# Altium PCB fastcar.PcbDoc (part 1 of 6) (continued)
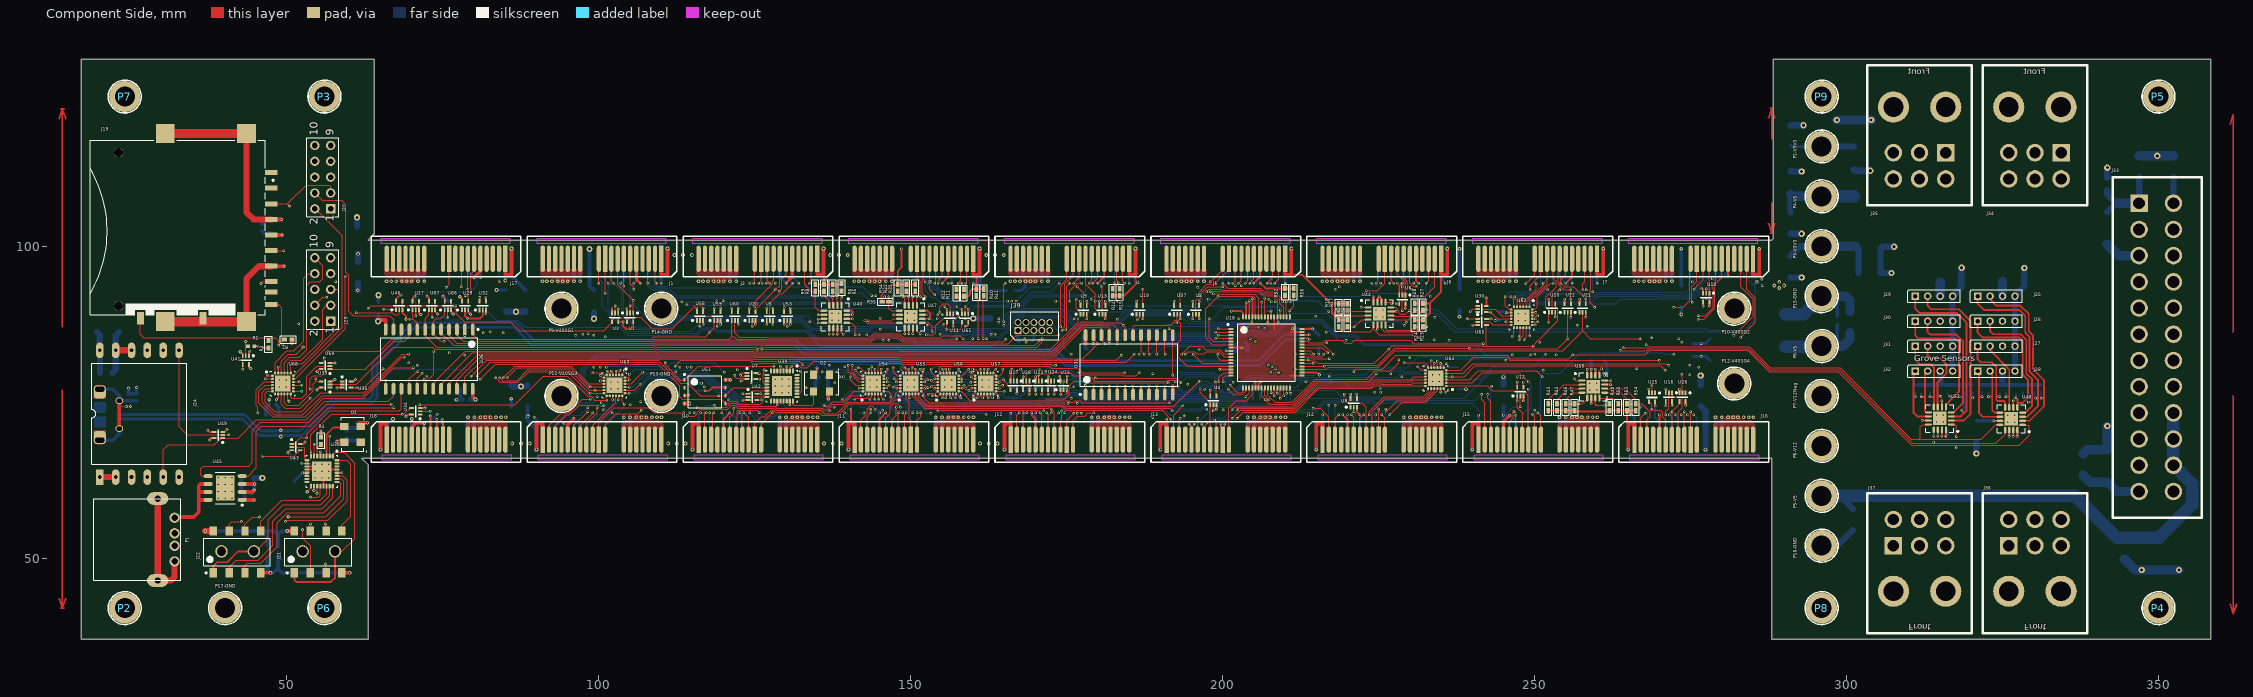
[diagram p0: Component Side view]
## Components (designator, comment, footprint, x,y, rotation, side; value= is the part's Value field where it differs from the comment) (continued)
J39 "3220-10-0100 SWD" 3220-10-0100 167.19,86.5 r90 top
O1 "3.072MHZ" SON254P340X265-4N 60.5,69.85 r180 top
O2 "12MHZ" SON254P340X265-4N 135.685,78.049 r270 top
P1 "USB-A Conn. - 87520-xx1xx" usb_a_sh 26,53 r270 top
P2 "CopperScrewM3" M3Screw 24,42 r0 top
P2-V3V3 "CopperScrewM3" M3SCREW 296,116 r0 top
P3 "CopperScrewM3" M3Screw 56,124 r0 top
P3-V3V3 "CopperScrewM3" M3SCREW 296,100 r0 top
P4 "CopperScrewM3" M3Screw 350,42 r0 top
P4-V5 "CopperScrewM3" M3SCREW 296,108 r0 top
P5 "CopperScrewM3" M3Screw 350,124 r0 top
P5-V5 "CopperScrewM3" M3SCREW 296,60 r0 top
P6 "CopperScrewM3" M3Screw 56,42 r0 top
P6-V12 "CopperScrewM3" M3SCREW 296,68 r0 top
P7 "CopperScrewM3" M3Screw 24,124 r0 top
P7-V12Neg "CopperScrewM3" M3SCREW 296,76 r0 top
P8 "CopperScrewM3" M3Screw 296,42 r0 top
P8-V5 "CopperScrewM3" M3SCREW 296,84 r0 top
P9 "CopperScrewM3" M3Screw 296,124 r0 top
P9-V40SG1 "CopperScrewM3" M3SCREW 94,90 r0 top
P10-V40SG2 "CopperScrewM3" M3SCREW 282,90 r0 top
P11-V40SG3 "CopperScrewM3" M3SCREW 94,76 r0 top
P12-V40SG4 "CopperScrewM3" M3SCREW 282,78 r0 top
P13-GND "CopperScrewM3" M3Screw 110,76 r90 top
P14-GND "CopperScrewM3" M3Screw 110,90 r90 top
P15-GND "CopperScrewM3" M3Screw 296,92 r90 top
P16-GND "CopperScrewM3" M3Screw 296,52 r0 top
P17-GND "CopperScrewM3" M3Screw 40.083,42 r0 top
R1 "R2" AP2-00011 44.25,84 r0 top
R2 "R2" AP2-00000 50.2,85.05 r0 top
R3 "R2" AP2-00000 47.05,84.3 r270 top
R4 "R2" AP2-00000 55.45,68.85 r270 top
R5 "Pullup" AP2-00000 138.9,93.4 r270 top
R6 "Pullup" AP1-00001 137.5,93.35 r270 top
R7 "Pullup" AP1-00001 331.05,77.2 r270 bottom
R8 "Pullup" AP1-00001 136.1,93.35 r270 top
R9 "Pullup" AP1-00001 134.7,93.35 r270 top
R10 "Pullup" AP1-00001 328.3,77.2 r270 bottom
R11 "Pullup" AP1-00001 158.53,92.54 r90 top
R12 "Pullup" AP1-00001 157.33,92.54 r90 top
R13 "Pullup" AP1-00001 325.7,77.2 r270 bottom
R14 "Pullup" AP1-00001 182.38,92.63 r90 top
R15 "Pullup" AP1-00001 183.48,92.63 r90 top
R16 "Pullup" AP1-00001 322.9,77.2 r270 bottom
R17 "Pullup" AP1-00001 220,90.25 r270 top
R18 "Pullup" AP1-00001 218.6,90.25 r270 top
R19 "Pullup" AP1-00001 320.05,77.2 r270 bottom
R20 "Pullup" AP1-00001 220,87.65 r270 top
R21 "Pullup" AP1-00001 218.6,87.65 r270 top
R22 "Pullup" AP1-00001 317.6,77.2 r270 bottom
R23 "Pullup" AP1-00001 232.1,87.65 r270 top
R24 "Pullup" AP1-00001 230.8,87.65 r270 top
R25 "Pullup" AP1-00001 314.65,77.2 r270 bottom
R26 "R2" AP2-00000 115.7,77.45 r90 bottom
R27 "Pullup" AP1-00001 232.1,90.3 r270 top
R28 "Pullup" AP1-00001 230.8,90.3 r270 top
R29 "Pullup" AP1-00001 312.1,77.2 r270 bottom
R30 "R2" AP2-00000 114.4,77.45 r270 bottom
R31 "Pullup" AP1-00001 150.7,93.35 r270 top
R32 "Pullup" AP1-00001 149.3,93.35 r270 top
R33 "Pullup" AP1-00001 329.95,77.2 r270 bottom
R34 "Pullup" AP1-00001 147.9,93.35 r270 top
R35 "Pullup" AP1-00001 145.95,91.1 r0 top
R36 "Pullup" AP1-00001 327,77.2 r270 bottom
R37 "Pullup" AP1-00001 141.13,73.33 r0 bottom
R38 "Pullup" AP1-00001 141.13,74.43 r0 bottom
R39 "Pullup" AP1-00001 324.4,77.2 r270 bottom
R40 "Pullup" AP1-00001 160.5,92.58 r270 top
R41 "Pullup" AP1-00001 161.7,92.6 r270 top
R42 "Pullup" AP1-00001 321.6,77.2 r270 bottom
R43 "Pullup" AP1-00001 252.2,74.2 r90 top
R44 "Pullup" AP1-00001 253.6,74.2 r90 top
R45 "Pullup" AP1-00001 318.85,77.2 r270 bottom
R46 "Pullup" AP1-00001 255,74.2 r90 top
R47 "Pullup" AP1-00001 256.4,74.2 r90 top
R48 "Pullup" AP1-00001 316.2,77.2 r270 bottom
R49 "Pullup" AP1-00001 262,74.2 r90 top
R50 "Pullup" AP1-00001 263.4,74.2 r90 top
R51 "Pullup" AP1-00001 313.5,77.2 r270 bottom
R52 "Pullup" AP1-00001 210,92.7 r270 top
R53 "Pullup" AP1-00001 264.8,74.2 r90 top
R54 "Pullup" AP1-00001 266.2,74.2 r90 top
R55 "Pullup" AP1-00001 310.9,77.2 r270 bottom
R56 "Pullup" AP1-00001 211.4,92.7 r270 top
R57 "R2" AP2-00011 24.6,75.8 r270 bottom
U1 "Buffer" SOTFL50P160X60-5N 105,88.6 r270 top
U2 "Buffer" SOTFL50P160X60-5N 195.7,89.8 r90 top
U3 "Buffer" SOTFL50P160X60-5N 102.6,88.6 r270 top
U4 "Buffer" SOTFL50P160X60-5N 198.5,75.3 r90 top
U5 "Buffer" SOTFL50P160X60-5N 127.4,88.8 r90 top
U6 "Buffer" SOTFL50P160X60-5N 228.79,91.48 r270 top
U7 "Buffer" SOTFL50P160X60-5N 124.44,79.21 r0 top
U8 "Buffer" SOTFL50P160X60-5N 221,74.9 r90 top
U9 "Buffer" SOTFL50P160X60-5N 177.7,89.8 r90 top
U10 "Buffer" SOTFL50P160X60-5N 252.8,90.1 r90 top
U11 "Buffer" SOTFL50P160X60-5N 156.3,88.5 r270 top
U12 "Buffer" SOTFL50P160X60-5N 247.71,76.71 r90 top
U13 "Buffer" SOTFL50P160X60-5N 180.7,89.8 r90 top
U14 "Buffer" SOTFL50P160X60-5N 277.5,91.78 r270 top
U15 "Buffer" SOTFL50P160X60-5N 174.5,77.7 r90 top
U16 "Buffer" SOTFL50P160X60-5N 271.52,75.82 r270 top
U17 "Buffer" SOTFL50P160X60-5N 70.65,90.5 r90 top
U18 "SAMD21TQFP64" TSQFP50P1300X1300X120-64N 207,83 r0 top locked
U19 "Buffer" SOTFL50P160X60-5N 186.7,89.8 r90 top
U20 "Buffer" SOTFL50P160X60-5N 124.6,88.8 r90 top
U21 "Buffer" SOTFL50P160X60-5N 257.7,90.1 r90 top
U22 "Buffer" SOTFL50P160X60-5N 255.3,90.1 r90 top
U23 "Buffer" SOTFL50P160X60-5N 170.5,77.7 r270 top
U24 "Buffer" SOTFL50P160X60-5N 172.5,77.7 r270 top
U25 "Buffer" SOTFL50P160X60-5N 268.82,75.8 r270 top
U26 "Buffer" SOTFL50P160X60-5N 273.7,75.81 r270 top
U27 "Buffer" SOTFL50P160X60-5N 166.5,77.7 r270 top
U28 "Buffer" SOTFL50P160X60-5N 168.5,77.7 r270 top
U29 "Buffer" SOTFL50P160X60-5N 78.55,90.5 r90 top
U30 "Buffer" SOTFL50P160X60-5N 241.56,89.95 r0 top
U31 "4to16 Decoder" SOIC127P1030X265-24N 185,81 r90 top
U32 "Buffer" SOTFL50P160X60-5N 81.39,90.48 r90 top
U33 "Buffer" SOTFL50P160X60-5N 56.2,77.85 r180 top
U34 "Buffer" SOTFL50P160X60-5N 70.65,73.55 r180 top
U35 "Buffer" SOTFL50P160X60-5N 59.55,77.85 r0 top
U36 "4to16 Decoder" SOIC127P1030X265-24N 72.8,81.9 r270 top
U37 "Inverter" SOTFL50P160X60-5N 192.7,89.8 r90 top
U38 "NXP Dual Uart" PQFN50P500X500X100_HS-33N 55.6,63.95 r270 top
U39 "MAX3421EETJ+" PQFN50P500X500X100_HS-33N 129.35,77.6 r270 top
U40 "PCA9546A" S-PVQFN-N16 137.9,88.7 r270 top
U41 "Buffer" SOTFL50P160X60-5N 43.4,81.75 r270 top
U42 "Buffer" SOTFL50P160X60-5N 124.6,75.85 r0 top
U43 "Buffer" SOTFL50P160X60-5N 51.45,67.8 r0 top
U44 "PCA9546A" S-PVQFN-N16 225.13,89.22 r0 top
U45 "TPS2021D" SOIC127P600X175_HS-9N 40.1,61.25 r180 top
U46 "Buffer" SOTFL50P160X60-5N 68,90.5 r90 top
U47 "PCA9546A" S-PVQFN-N16 150,88.7 r270 top
U48 "PCA9546A" S-PVQFN-N16 326.4,72.35 r180 top
U49 "Buffer" SOTFL50P160X60-5N 39,69.75 r180 top
U50 "PCA9546A" S-PVQFN-N16 259.4,77.5 r0 top
U51 "AT25512" SOIC127P600X25-8N 117,76.7 r0 top
U52 "PCA9546A" S-PVQFN-N16 314.95,72.4 r180 top
U53 "Buffer" SOTFL50P160X60-5N 130.2,88.8 r90 top
U54 "IO Expander" PQFN50P400X400X90_HS-25N 144,78 r90 top
U55 "IO Expander" PQFN50P400X400X90_HS-25N 150,78 r90 top
U56 "IO Expander" PQFN50P400X400X90_HS-25N 156,78 r90 top
U57 "IO Expander" PQFN50P400X400X90_HS-25N 162,78 r90 top
U58 "Buffer" SOTFL50P160X60-5N 116.2,88.8 r90 top
U59 "Buffer" SOTFL50P160X60-5N 119,88.8 r90 top
U60 "Buffer" SOTFL50P160X60-5N 121.8,88.8 r90 top
U61 "Buffer" SOTFL50P160X60-5N 158.7,88.5 r270 top
U62 "IO Expander" PQFN50P400X400X90_HS-25N 247.93,88.63 r270 top
U63 "IO Expander" PQFN50P400X400X90_HS-25N 102.5,77.7 r270 top
U64 "IO Expander" PQFN50P400X400X90_HS-25N 234.17,78.87 r180 top
U65 "Buffer" SOTFL50P160X60-5N 241.57,87.86 r0 top
U66 "Buffer" SOTFL50P160X60-5N 75.8,90.5 r90 top
U67 "Buffer" SOTFL50P160X60-5N 73.25,90.5 r90 top
U68 "IO Expander" PQFN50P400X400X90_HS-25N 49.35,78 r0 top
U69 "Buffer" SOTFL50P160X60-5N 56.2,80.8 r180 top

## Footprints (in the part's own frame and the unit in brackets; to place one, negate y for a bottom-side part, rotate by r counter-clockwise, add the part's x,y. Pads: shape width x height; smd on the part's side, far side on the other; paste and mask are expansions set on the pad)
0603C-2U2 [mil] "CAPACITOR 0603"
  rect 30x30 smd: 1(0,0) 2(55,0)
  silkscreen extent -23,-23 78,23, body extent -4,-15 59,15, height 19
1206C-GENERIC [mil]
  rect 60x60 smd: 1(0,0) 2(135,0)
  silkscreen extent -50,-50 185,50, body extent -8,-29 147,29, height 46
1206R-GENERIC [mil]
  rect 60x60 smd: 1(0,0) 2(135,0)
  silkscreen extent -50,-50 185,50
1913-X-GENERIC [mil]
  rect 90x120 smd: 1(0,0) 2(167,-1)
  silkscreen extent -60,-88 227,86
2413 [mm]
  rect 2.4x2.5 smd: 1(-2,0) 2(3.2,0)
  silkscreen extent -4.1,-2.5 5.5,2.5
3220-10-0100 [mm]
  rect 1.1x1.1 hole 0.75: 1(0,0)
  round 1.1 hole 0.75: 2(1.27,0) 3(0,-1.27) 4(1.27,-1.27) 5(0,-2.54) 6(1.27,-2.54) 7(0,-3.81) 8(1.27,-3.81) 9(0,-5.08) 10(1.27,-5.08)
  silkscreen extent -1.5,-6.5 3,1.2
45558 [mm] "6 CKT R/A Header Mini Fit Jr PCI-E Power"
  rect 2.8x2.8 hole 1.8: 1(0,0)
  round 2.8 hole 1.8: 2(-4.2,0) 3(-8.4,0) 4(0,-4.2) 5(-4.2,-4.2) 6(-8.4,-4.2)
  round 5 hole 3.2: 7(0,7.3) 8(-8.4,7.3)
  silkscreen extent -12.6,-8.4 4.2,14
46991-1024 [mm] "MINIFIT RTC Right Angle Header W/O PEG"
  rect 2.8x2.8 hole 1.9: 1(0,0)
  round 2.8 hole 1.9: 2(-4.2,0) 3(-8.4,0) 4(-12.6,0) 5(-16.8,0) 6(-21,0) 7(-25.2,0) 8(-29.4,0) 9(-33.6,0) 10(-37.8,0) 11(-42,0) 12(-46.2,0) 13(0,-5.5) 14(-4.2,-5.5) 15(-8.4,-5.5) 16(-12.6,-5.5) 17(-16.8,-5.5) 18(-21,-5.5) 19(-25.2,-5.5) 20(-29.4,-5.5) 21(-33.6,-5.5) 22(-37.8,-5.5) 23(-42,-5.5) 24(-46.2,-5.5)
  silkscreen extent -50.4,-10 4.2,4.2
AP1-00001 [mm] "Standard 0402 SMD capacitor footprint"
  rect 0.9x0.6 smd: 1(-0.55,0) 2(0.55,0)
  silkscreen extent -1.25,-0.55 1.25,0.55, body extent -0.5,-0.3 0.5,0.3, height 0.2
AP1-00041 [mil]
  rect 43x63 smd: 1(0,0) 2(80,0)
  silkscreen extent -30,-39 109,39, body extent 1,-25 79,25, height 31
AP2-00000 [mm] "Standard 0402 SMD resistor footprint"
  rect 0.8x0.65 smd: 1(-0.6,0) 2(0.6,0)
  silkscreen extent -1.25,-0.57 1.25,0.58, body extent -0.5,-0.3 0.5,0.3, height 0.2
AP2-00011 [mm] "Chip Resistor, 2-Leads, Body 1,0x0,5mm, IPC High Density"
  rect 0.6x0.55 smd: 1(-0.5,0) 2(0.5,0)
  body extent -0.5,-0.3 0.5,0.3, height 0.2
AP8-00377 [mm]
  round 1.5 hole 1.5 unplated: 0(-12.575,14) 0(12.025,14)
  rect 0.8x2 smd paste+0 mask+0.2: 1(6.305,-10.5) 2(3.805,-10.5) 3(1.305,-10.5) 4(-1.195,-10.5) 5(-3.695,-10.5) 6(-6.195,-10.5) 7(-8.625,-10.5) 8(-10.325,-10.5) 9(8.805,-10.5) 10(-12.325,-10.5)
  rect 2x1.1 smd paste+0 mask+0.2: 11(-14.575,0.45) 12(-14.575,10.5)
  rect 3x3 smd paste+0 mask+0.2: 13(-15.075,-6.5) 14(-15.075,6.5) 15(15.075,6.5) 16(15.075,-6.5)
  silkscreen extent -14.1,-10.9 14,18.5, body extent -13.99,-9.5 14,18.5, height 2.7
AP8-00852 [mm] "Hirose, ZX Series, USB Micro-AB Recept-RA"
  rect 0.4x1.35 smd: 1(-1.3,2.8) 2(-0.65,2.8) 3(0,2.8) 4(0.65,2.8) 5(1.3,2.8)
  rrect52% 2.1x1.9 hole 0.825 slot 1.5 at 90 deg copper offset 0.437,0: 6(-4.088,0)
  rrect50% 2.1x1.9 on Bottom Paste: 6(-3.6,0) 7(3.6,0)
  rrect52% 2.1x1.9 hole 0.825 slot 1.5 at 90 deg copper offset -0.437,0: 7(4.087,0)
  rrect100% 1.05x1.25 hole 0.65 slot 0.85 at 90 deg: 8(-2.225,3.125) 9(2.225,3.125)
  rrect50% 1.05x1.25 on Bottom Paste: 8(-2.225,3.125) 9(2.225,3.125)
  Component Side region: -2.05,0.95 -0.25,0.95 -0.25,-0.95 -2.05,-0.95
  Component Side region: 0.25,0.95 2.05,0.95 2.05,-0.95 0.25,-0.95
  Component Side pour cut-out: -3.75,1.975 3.75,1.975 3.75,-1.325 -3.75,-1.325
  Component Side region: -2.6,0.95 -4.2,0.95 -4.294,0.941 -4.381,0.915 -4.434,0.891 -4.48,0.862 -4.52,0.832 -4.565,0.791 -4.596,0.753 -4.622,0.716 -4.647,0.673 -4.66,0.64 -4.676,0.6 -4.688,0.55 -4.696,0.505 -4.7,0.45 -4.7,-0.45 -4.696,-0.503 -4.689,-0.548 -4.677,-0.599 -4.661,-0.641 -4.641,-0.683 -4.617,-0.724 -4.589,-0.761 -4.56,-0.797 -4.521,-0.831 -4.483,-0.86 -4.439,-0.888 -4.397,-0.908 -4.354,-0.924 -4.301,-0.939 -4.248,-0.946 -4.2,-0.95 -2.6,-0.95
  Component Side region: 2.6,-0.95 4.2,-0.95 4.294,-0.941 4.381,-0.915 4.434,-0.891 4.48,-0.862 4.52,-0.832 4.565,-0.791 4.596,-0.753 4.622,-0.716 4.647,-0.673 4.66,-0.64 4.676,-0.6 4.688,-0.55 4.696,-0.505 4.7,-0.45 4.7,0.45 4.696,0.503 4.689,0.548 4.677,0.599 4.661,0.641 4.641,0.683 4.617,0.724 4.589,0.761 4.56,0.797 4.521,0.831 4.483,0.86 4.439,0.888 4.397,0.908 4.354,0.924 4.301,0.939 4.248,0.946 4.2,0.95 2.6,0.95
  Solder Side region: 2.6,-0.95 4.2,-0.95 4.294,-0.941 4.381,-0.915 4.434,-0.891 4.48,-0.862 4.52,-0.832 4.565,-0.791 4.596,-0.753 4.622,-0.716 4.647,-0.673 4.66,-0.64 4.676,-0.6 4.688,-0.55 4.696,-0.505 4.7,-0.45 4.7,0.45 4.696,0.503 4.689,0.548 4.677,0.599 4.661,0.641 4.641,0.683 4.617,0.724 4.589,0.761 4.56,0.797 4.521,0.831 4.483,0.86 4.439,0.888 4.397,0.908 4.354,0.924 4.301,0.939 4.248,0.946 4.2,0.95 2.6,0.95
  Solder Side region: -2.6,0.95 -4.2,0.95 -4.294,0.941 -4.381,0.915 -4.434,0.891 -4.48,0.862 -4.52,0.832 -4.565,0.791 -4.596,0.753 -4.622,0.716 -4.647,0.673 -4.66,0.64 -4.676,0.6 -4.688,0.55 -4.696,0.505 -4.7,0.45 -4.7,-0.45 -4.696,-0.503 -4.689,-0.548 -4.677,-0.599 -4.661,-0.641 -4.641,-0.683 -4.617,-0.724 -4.589,-0.761 -4.56,-0.797 -4.521,-0.831 -4.483,-0.86 -4.439,-0.888 -4.397,-0.908 -4.354,-0.924 -4.301,-0.939 -4.248,-0.946 -4.2,-0.95 -2.6,-0.95
  silkscreen extent -4.05,1.23 4.05,3.13, body extent -4.32,-2.65 4.33,3.25, height 2.78
B4B-PH-K-S(LF)(SN) [mm] "CONN HEADER PH TOP 4POS 2MM"
  rect 1.2x1.2 hole 0.7: 1(-3,0)
  round 1.2 hole 0.7: 2(-1,0) 3(1,0) 4(3,0)
  silkscreen extent -4.2,-1 4.2,1
HDR2X5 [mm] "Connector; Header; 5x2 Position"
  rect 1.5x1.5 hole 0.9: 1(0,0)
  round 1.5 hole 0.9: 2(0,2.54) 3(2.54,0) 4(2.54,2.54) 5(5.08,0) 6(5.08,2.54) 7(7.62,0) 8(7.62,2.54) 9(10.16,0) 10(10.16,2.54)
  silkscreen extent -1.27,-1.27 11.43,3.81
M3Screw [mm] "M3ScrewHole"
  round 5 hole 3.2: 1(0,0)
  silkscreen extent -2.64,-2.64 2.64,2.64
M3SCREW [mm] "M3ScrewHole"
  round 5 hole 3.2: 1(0,0)
  silkscreen extent -2.64,-2.64 2.64,2.64
PCIE-036-02-F-D-EMS3 [mm] "Samtec 36 Pin Saddle PCI-Express Connector PCIE-036-02-F-D-EMS3"
  rect 0.7x4.2 smd: A1(0,0) A10(9,0)
  oval 0.7x4.2 smd: A2(1,0) A3(2,0) A4(3,0) A5(4,0) A6(5,0) A7(6,0) A8(7,0) A9(8,0) A11(10,0) A12(13,0) A13(14,0) A14(15,0) A15(16,0) A16(17,0) A17(18,0) A18(19.016,0)
  rect 0.7x4.2 smd far side: B1(0,0) B10(9,0)
  oval 0.7x4.2 smd far side: B2(1,0) B3(2,0) B4(3,0) B5(4,0) B6(5,0) B7(6,0) B8(7,0) B9(8,0) B11(10,0) B12(13,0) B13(14,0) B14(15,0) B15(16,0) B16(17,0) B17(18,0) B18(19.016,0)
  Keep-Out Layer region: -0.8,-3.2 20,-3.2 20,-2.5 -0.8,-2.5
  silkscreen extent -2.5,-3.6 21.5,2.9
PQFN50P400X400X90_HS-25N [mm] "PQFN, 24-Leads, Body 4.00x4.00mm, Pitch 0.50mm, Thermal Pad 2.50x2.50mm, IPC Medium Density"
  oval 0.45x0.35 smd: 1(-1.675,1.25) 2(-1.675,0.75) 3(-1.675,0.25) 4(-1.675,-0.25) 5(-1.675,-0.75) 6(-1.675,-1.25) 13(1.675,-1.25) 14(1.675,-0.75) 15(1.675,-0.25) 16(1.675,0.25) 17(1.675,0.75) 18(1.675,1.25)
  oval 0.35x0.45 smd: 7(-1.25,-1.675) 8(-0.75,-1.675) 9(-0.25,-1.675) 10(0.25,-1.675) 11(0.75,-1.675) 12(1.25,-1.675) 19(1.25,1.675) 20(0.75,1.675) 21(0.25,1.675) 22(-0.25,1.675) 23(-0.75,1.675) 24(-1.25,1.675)
  rect 2.5x2.5 smd: 25(0,0)
  silkscreen extent -2.77,-2 2,2, body extent -2,-2 2,2, height 0.9
PQFN50P500X500X100_HS-33N [mm] "PQFN, 32-Leads, Body 5.00x5.00mm, Pitch 0.50mm, Thermal Pad 3.10x3.10mm, IPC Medium Density"
  oval 0.8x0.35 smd: 1(-2.415,1.75) 2(-2.415,1.25) 3(-2.415,0.75) 4(-2.415,0.25) 5(-2.415,-0.25) 6(-2.415,-0.75) 7(-2.415,-1.25) 8(-2.415,-1.75) 17(2.415,-1.75) 18(2.415,-1.25) 19(2.415,-0.75) 20(2.415,-0.25) 21(2.415,0.25) 22(2.415,0.75) 23(2.415,1.25) 24(2.415,1.75)
  oval 0.35x0.8 smd: 9(-1.75,-2.415) 10(-1.25,-2.415) 11(-0.75,-2.415) 12(-0.25,-2.415) 13(0.25,-2.415) 14(0.75,-2.415) 15(1.25,-2.415) 16(1.75,-2.415) 25(1.75,2.415) 26(1.25,2.415) 27(0.75,2.415) 28(0.25,2.415) 29(-0.25,2.415) 30(-0.75,2.415) 31(-1.25,2.415) 32(-1.75,2.415)
  rect 3.15x3.15 smd: 33(0,0)
  silkscreen extent -3.32,-2.55 2.55,2.55, body extent -2.55,-2.55 2.55,2.55, height 1
S-PVQFN-N16 [mm] "Footprint for NXP"
  oval 1.1x0.35 smd: 1(-1.825,0.975) 2(-1.825,0.325) 3(-1.825,-0.325) 4(-1.825,-0.975) 9(1.825,-0.975) 10(1.825,-0.325) 11(1.825,0.325) 12(1.825,0.975)
  oval 0.35x1.1 smd: 5(-0.975,-1.825) 6(-0.325,-1.825) 7(0.325,-1.825) 8(0.975,-1.825) 13(0.975,1.825) 14(0.325,1.825) 15(-0.325,1.825) 16(-0.975,1.825)
  rect 2.16x2.16 smd: 17(0,0)
  silkscreen extent -3,-2.23 2.23,2.23, body extent -2.07,-2.07 2.07,2.07, height 1
SOIC127P600X25-8N [mm] "SOIC, 8-Leads, Body 4.92x5.95mm, Pitch 1.27mm, IPC Medium Density"
  oval 0.35x0.6 smd: 1(-3.275,1.905) 2(-3.275,0.635) 3(-3.275,-0.635) 4(-3.275,-1.905) 5(3.275,-1.905) 6(3.275,-0.635) 7(3.275,0.635) 8(3.275,1.905)
  silkscreen extent -3.4,-2.55 2.7,2.88, body extent -3.1,-2.55 3.1,2.55, height 0.25
SOIC127P600X175_HS-9N [mm] "SOIC, 8-Leads, Body 4.90x3.90mm, Pitch 1.27mm, Thermal Pad 4.00x3.00mm, IPC Medium Density"
  oval 1.45x0.6 smd: 1(-2.725,1.905) 2(-2.725,0.635) 3(-2.725,-0.635) 4(-2.725,-1.905) 5(2.725,-1.905) 6(2.725,-0.635) 7(2.725,0.635) 8(2.725,1.905)
  rect 3x4 smd: 9(0,0)
  silkscreen extent -2.85,-2.5 1.6,2.88, body extent -2,-2.5 2,2.5, height 1.75
SOIC127P1030X265-24N [mm] "SOIC, 24-Leads, Body 15.40x7.50mm, Pitch 1.27mm, IPC Medium Density"
  oval 1.9x0.6 smd: 1(-4.75,6.985) 2(-4.75,5.715) 3(-4.75,4.445) 4(-4.75,3.175) 5(-4.75,1.905) 6(-4.75,0.635) 7(-4.75,-0.635) 8(-4.75,-1.905) 9(-4.75,-3.175) 10(-4.75,-4.445) 11(-4.75,-5.715) 12(-4.75,-6.985) 13(4.75,-6.985) 14(4.75,-5.715) 15(4.75,-4.445) 16(4.75,-3.175) 17(4.75,-1.905) 18(4.75,-0.635) 19(4.75,0.635) 20(4.75,1.905) 21(4.75,3.175) 22(4.75,4.445) 23(4.75,5.715) 24(4.75,6.985)
  silkscreen extent -4.87,-7.8 3.4,7.96, body extent -3.8,-7.8 3.8,7.8, height 2.65
SON254P340X265-4N [mm] "SON, 4-Leads, Body 5.15x3.35mm, Pitch 2.54mm, IPC Medium Density"
  rect 1.35x1.15 smd: 1(-1.335,1.27) 2(-1.335,-1.27) 3(1.335,-1.27) 4(1.335,1.27)
  silkscreen extent -2.28,-2.72 1.82,2.77, body extent -1.68,-2.57 1.67,2.58, height 2.65
SOP254P740X760-8N [mm] "SOP, 8-Leads, Body 10.66x5.03mm, Pitch 2.54mm, IPC Medium Density"
  round 2 hole 1.5: 0(0.1,2.5) 1(0.1,-2.7)
  rect 1.5x1.2 smd: 1(-3.35,3.81) 2(3.35,3.81) 3(-3.35,1.27) 4(3.35,1.27) 5(-3.35,-1.27) 6(3.35,-1.27) 7(-3.35,-3.81) 8(3.35,-3.81)
  silkscreen extent -3.47,-5.35 2.2,5.35, body extent -2.6,-5.35 2.6,5.35, height 7.6
SOTFL50P160X60-5N [mm] "SOTFL, 5-Leads, Body 1.60x1.60mm, Pitch 0.50mm, IPC Medium Density"
  rect 0.75x0.3 smd: 1(-0.7,0.5) 2(-0.7,0) 3(-0.7,-0.5) 4(0.7,-0.5) 5(0.7,0.5)
  silkscreen extent -0.82,-0.85 0.05,1.33, body extent -0.65,-0.85 0.65,0.85, height 0.6
TSQFP50P1300X1300X120-64N [mm] "TSQFP, 64-Leads, Body 10.00x10.00mm, Pitch 0.50mm, IPC Medium Density"
  rrect50% 0.8x0.32 smd: 1(-5.7,3.75) 2(-5.7,3.25) 3(-5.7,2.75) 4(-5.7,2.25) 5(-5.7,1.75) 6(-5.7,1.25) 7(-5.7,0.75) 8(-5.7,0.25) 9(-5.7,-0.25) 10(-5.7,-0.75) 11(-5.7,-1.25) 12(-5.7,-1.75) 13(-5.7,-2.25) 14(-5.7,-2.75) 15(-5.7,-3.25) 16(-5.7,-3.75) 33(5.7,-3.75) 34(5.7,-3.25) 35(5.7,-2.75) 36(5.7,-2.25) 37(5.7,-1.75) 38(5.7,-1.25) 39(5.7,-0.75) 40(5.7,-0.25) 41(5.7,0.25) 42(5.7,0.75) 43(5.7,1.25) 44(5.7,1.75) 45(5.7,2.25) 46(5.7,2.75) 47(5.7,3.25) 48(5.7,3.75)
  rrect50% 0.32x0.8 smd: 17(-3.75,-5.7) 18(-3.25,-5.7) 19(-2.75,-5.7) 20(-2.25,-5.7) 21(-1.75,-5.7) 22(-1.25,-5.7) 23(-0.75,-5.7) 24(-0.25,-5.7) 25(0.25,-5.7) 26(0.75,-5.7) 27(1.25,-5.7) 28(1.75,-5.7) 29(2.25,-5.7) 30(2.75,-5.7) 31(3.25,-5.7) 32(3.75,-5.7) 49(3.75,5.7) 50(3.25,5.7) 51(2.75,5.7) 52(2.25,5.7) 53(1.75,5.7) 54(1.25,5.7) 55(0.75,5.7) 56(0.25,5.7) 57(-0.25,5.7) 58(-0.75,5.7) 59(-1.25,5.7) 60(-1.75,5.7) 61(-2.25,5.7) 62(-2.75,5.7) 63(-3.25,5.7) 64(-3.75,5.7)
  silkscreen extent -6.3,-4.6 4.6,4.6, body extent -5,-5 5,5, height 1.2
usb_a_sh [mil] "USB_A_SH"
  round 65 hole 40 mask+2: 1(-137.1,235.7) 2(-38.7,235.7) 3(40.1,235.7) 4(138.5,235.7)
  oval 80x135 hole 40 mask+2: 5(-258,129) 6(259.4,129)
  silkscreen extent -258,-276 258,276
WIZ820io [mm]
  rect 2.5x1.2 hole 0.6: 1(0,0)
  oval 2.5x1.2 hole 0.6: 2(0,-2.54) 3(0,-5.08) 4(0,-7.62) 5(0,-10.16) 6(0,-12.7) 7(20.32,-12.7) 8(20.32,-10.16) 9(20.32,-7.62) 10(20.32,-5.08) 11(20.32,-2.54) 12(20.32,0)
  silkscreen extent 2.09,-13.97 18.23,1.27

## Part data
C1 C2 C3 C7 C9 C11 C13 C15 C17 C19 C21 C23 C24 C27 C29 C31 C33 C35 C78: library part A01-0360, "Ceramic capacitor, SMD 0805, X5R, 10V, 10 %, (de19441)"
C4 C5 C6 C8 C10 C12 C14 C16 C18 C20 C22 C25 C26 C28 C30 C32 C34 C36 C77 C79: library part A01-0246, "Ceramic capacitor, SMD 0402, X7R, 16V, +/-10%"
C37 C47 C57 C67: "CER 0.1UF 250V 10% X7R 1206"
C38 C48 C58 C68: "CAP CER 1UF 50V 10% X5R 0603"
C39 C49 C59 C69: "CAP TANT 1UF 50V 10% 2413"
C40 C50 C60 C70: "CAP FILM 10000PF 5% 400VDC 1913"
C41 C51 C61 C71: "CAP FILM 1000PF 5% 100VDC 1206"
C42 C43 C44 C45 C46 C52 C53 C54 C55 C56 C62 C63 C64 C65 C66 C72 C73 C74 C75 C76: "CAP CER 10UF 50V 20% X5R 1206"
J1 J2 J3 J4 J5 J6 J7 J8 J9 J10 J11 J12 J13 J14 J15 J16 J17 J18: library part PCIE-036-02-F-D-EMS3, "Samtec PCIE-036-02-F-D-EMS3"
J19: library part A08-0816, "SD/MMC socket, 2.7mm, push-push, SMD"
J20 J23: "Header, 5-Pin, Dual row"
J21 J22: library part NPPC042KFMS-RC, "Connector Header 8 Position 0.100\" (2.54mm) Gold Surface Mount"
J33: library part 46991-2024, "Mini-Fit JR LCP RA HDR NOPEG 24C"
J38: library part A08-2112, "Hirose ZX62D-AB-5P8 Micro USB AB Connector, Standard SMT + DIP"
J39: library part 3220-10-0100-00, "HiRose 3220-10-0100 BOX HEADER, 0.050 10 POS"
O1: library part FXO-HC536R-3.072, "OSCILLATOR XO 3.072MHZ HCMOS SMD"
O2: library part FXO-HC536R-12, "OSCILLATOR XO 12MHZ HCMOS SMD"
P1: library part CONN_54819-0578_2, "CONN RCPT USB TYPE A R/A PCB"
R1: library part A02-0260, "Thick film resistor, SMD 0402, 1/16W, 1%"
R2 R3 R4 R5 R6 R7 R8 R9 R10 R11 R12 R13 R14 R15 R16 R17 R18 R19 R20 R21 R22 R23 R24 R25 R26 R27 R28 R29 R30 R31 R32 R33 R34 R35 R36 R37 R38 R39 R40 R41 R42 R43 R44 R45 R46 R47 R48 R49 R50 R51 R52 R53 R54 R55 R56: library part A02-0236, "Thick film resistor, SMD 0402, 1/16W, 1%"
R57: library part A02-0284, "Thick film resistor, SMD 0402, 1/16W, 1%"
U1 U2 U3 U4 U5 U6 U7 U8 U9 U10 U11 U12 U13 U14 U15 U16 U17 U41 U42 U43 U46 U49 U53 U58 U59 U60 U61 U65 U66 U67 U69: library part SN74LVC1G125DRLR, "SN74LVC1G125DRLR Tinylogic Tristate Buffer SOT-5 DRL Package"
U18: library part ATSAMD21J18A-AUT
U19 U20 U21 U22 U23 U24 U25 U26 U27 U28 U29 U30 U32 U33 U34 U35: library part SN74LVC1G34DRLR, "SN74LVC1G34DRLR Tinylogic Buffer SOT-5 DRL Package"
U31 U36: library part CD74HC154M, "TI 4to16 Line Decoder/Demux"
U37: library part SN74AHC1G04DRLR, "SN74AHC1G04DRLR Tinylogic Inverter SOT-5 DRL Package"
U38: library part SC16IS762IBS, "Dual Uart with SPI Interface, 15Mbits SPI"
U45: "IC 0.9A PWR DIST SWITCH 8-SOIC TI"
U51: library part AT25512N-SH-B, "IC EEPROM 512KBIT 20MHZ 8SOIC ATMEL"
U54 U55 U56 U57 U62 U63 U64 U68: library part MCP23S18T-E/MJ, "Microchip 16-Bit IO Expander with Open Drain Outputs"

## Via types
v1: diameter 0.4, hole 0.2, Component Side to Solder Side, 984 vias
v2: diameter 0.6, hole 0.3, Component Side to Solder Side, 212 vias
v3: diameter 0.5, hole 0.2, Component Side to Solder Side, 152 vias
v4: diameter 1, hole 0.5, Component Side to Solder Side, 27 vias

## Nets (pads, with @x,y where several pads share a name; then routed paths per layer and width w, separated by ;. In a path a pad name is that pad's centre, name@x,y a point inside that pad or via, vN(x,y) a via of type N, cw(c..) or ccw(c..) an arc to the next point about the centre after c; other vN are vias at no path point)
CLK12: O2.3 U39.24 | length 5.9
  Component Side w0.15: U39.24@131.1,75.185 131.1,74.7 131.25,74.55 134.18,74.55 134.415,74.785 O2.3@134.415,76.714
CLK3072: O1.3 U38.3 | length 7.1
  Component Side w0.3: U38.3@56.35,66.125 56.35,69.85 57.45,70.95 58.995,70.95 O1.3@59.165,71.12
CSEEPROM: U36.17 U51.1 U53.1 | length 70.2
  Component Side w0.15: U36.17@70.895,77.15 70.895,78.845 v1(71.7,79.65) ; v1(110.6,81.3) 110.6,80.999 113.049,78.55 U51.1@113.75,78.55 ; U51.1@113.725,78.605 115.92,80.8 v1(128,80.8) ; v1(129.7,87.5) U53.1@129.7,88.1
  Signal 1 w0.15: v1(128,80.8) 129.7,82.5 v1(129.7,87.5)
  Signal 2 w0.15: v1(71.7,79.65) 71.775,79.725 79.976,79.725 80.001,79.7 97.7,79.7 97.955,79.955 ; 97.955,79.956 98.204,80.205 ; 98.205,80.205 98.675,80.675 98.675,80.776 99.249,81.35 110.55,81.35 v1(110.6,81.3)
CSES: J17.A8 U17.1 U36.8 | length 21.1
  Component Side w0.15: v1(69.7,88.3) 70.05,88.3 70.15,88.4 ; U17.1@70.15,89.8 70.15,88.4 ; U36.8@70.895,86.65 70.895,87.655 70.15,88.4 ; v1(77.95,93.5) 78,93.55 J17.A8@78,98
  Component Side w0.3: U36.8@70.895,85.755 U36.8@70.895,86.65
  Signal 1 w0.15: v1(69.7,88.3) 69.7,90.528 72.072,92.9 77.35,92.9 v1(77.95,93.5)
CSETH: J24.5 U36.14 U49.1 | length 46.1
  Component Side w0.15: J24.5@30.16,63 30.16,67.36 31,68.2 38.35,68.2 39.2,69.05 39.2,69.1 ; U49.1@39.7,69.25 42.15,69.25 45.1,72.2 53.1,72.2 56.05,75.15 66.25,75.15 67.085,75.985 U36.14@67.085,77.15
  Component Side w0.3: 39.2,69.1 39.35,69.25 U49.1@39.7,69.25
CSGEN: U36.9 U68.9 U69.1 | length 30.2
  Component Side w0.15: U68.9@49.1,76.325 49.1,74.65 49.75,74 52.1,74 53.7,75.6 v1(53.75,75.6) ; v1@53.7,77 v1(53.75,77.05) 53.75,78.8 54.15,79.2 ; 54.2,79.25 55.55,79.25 56.6,80.3 U69.1@56.9,80.3 62.576,80.3 67.076,84.8 68.85,84.8 69.625,85.575 U36.9@69.625,86.65
  Signal 1 w0.15: v1(53.75,75.6) v1(53.75,77.05)
CSINT: U36.1 U54.9 U58.1 U59.1 | length 83.7
  Component Side w0.15: U36.1@79.785,86.65 79.785,85.865 80.586,85.064 108.364,85.064 108.8,85.5 117.1,85.5 v1(117.8,86.2) 118.5,86.9 U59.1@118.5,88.1 118.5,88.6 118.3,88.8 115.9,88.8 115.7,88.6 U58.1@115.7,88.1 ; U54.9@145.675,77.75 v1(146.528,77.75)
  Signal 1 w0.15: 145.1,86.4 145.1,81.3 145.7,80.7 145.7,78.1 146.05,77.75 v1(146.528,77.75)
  Signal 2 w0.15: v1(117.8,86.2) 117.825,86.175 130.6,86.175 130.85,86.425 130.949,86.425 131.125,86.601 131.125,86.7 v1(145.1,86.7)
CSIO0: U36.4 U57.9 U61.1 | length 115.1
  Component Side w0.15: U36.4@75.975,86.65 75.975,85.725 77.236,84.464 108.646,84.464 109.007,84.825 126.649,84.825 126.774,84.7 143.674,84.7 144.349,85.375 147.925,85.375 148.6,84.7 164.8,84.7 v1(165.2,85.1) ; U61.1@159.2,89.2 v1(159.2,89.9) ; U57.9@163.675,77.75 163.725,77.7 v1(164.7,77.7)
  Signal 1 w0.15: v1(164.7,77.7) 164.7,77.75 165.325,78.375 165.325,78.776 165.2,78.901 v1(165.2,85.1) 165.815,85.715 165.815,88.794 166.2,89.179 ; 166.2,89.179 v1(166.2,91.2)
  Solder Side w0.15: v1(159.2,89.9) 159.875,90.575 165.575,90.575 v1(166.2,91.2)
CSIO1: U36.5 U62.9 U65.1 | length 179.1
  Component Side w0.15: U36.5@74.705,86.65 74.705,86.094 76.699,84.1 108.706,84.1 109.131,84.525 126.525,84.525 126.65,84.4 165.6,84.4 166.9,85.7 v1(173.7,85.7) ; v1(239.16,88.36) U65.1@240.87,88.36 241.31,88.36 241.55,88.6 241.55,89.73 241.75,89.93 243.67,89.93 244.76,88.84 246.215,88.84 U62.9@246.255,88.88
  Signal 2 w0.15: v1(173.7,85.7) 176.4,85.7 177,86.3 198.199,86.3 198.424,86.525 198.474,86.525 199.124,87.175 203.3,87.175 204.625,88.5 214.3,88.5 215.3,87.5 217.9,87.5 219.115,86.285 224.976,86.285 225.266,86.575 229.825,86.575 232.025,88.775 233.574,88.775 234.024,89.225 238.295,89.225 v1(239.16,88.36)
CSIO2: U36.6 U63.9 U66.1 | length 41.7
  Component Side w0.15: v1(75.2,84.75) 74.65,84.75 73.435,85.965 U36.6@73.435,86.65 73.435,87.935 73.85,88.35 74.6,88.35 75.3,89.05 U66.1@75.3,89.8 ; v1(84.7,78.9) 86.599,80.8 95.533,80.8 98.383,77.95 U63.9@100.825,77.95
  Signal 1 w0.15: v1(82.6,86.3) 84.7,84.2 v1(84.7,78.9)
  Signal 2 w0.15: v1(75.2,84.75) 81.05,84.75 v1(82.6,86.3)
CSIO3: U36.7 U64.9 U67.1 | length 174.1
  Component Side w0.15: U67.1@72.75,89.8 72.75,88.985 72.165,88.4 U36.7@72.165,86.65 72.165,85.635 73.975,83.825 76.549,83.825 76.574,83.8 108.83,83.8 109.255,84.225 126.4,84.225 126.525,84.1 169.9,84.1 170.6,84.8 v1(170.6,84.9) ; U64.9@234.42,80.545 v1(234.42,81.58)
  Signal 1 w0.15: v1(233.9,85) 234.42,84.48 v1(234.42,81.58)
  Signal 2 w0.15: v1(170.6,84.9) 170.6,84.8 170.624,84.775 171.276,84.775 171.301,84.8 176.809,84.8 177.549,85.54 183.55,85.54 184.315,84.775 195.928,84.775 197.001,84.775 197.251,84.525 199.2,84.525 199.45,84.775 199.699,84.775 202.625,84.775 203.475,84.775 204.225,84.025 224.049,84.025 224.599,84.575 227.876,84.575 228.176,84.275 233.175,84.275 v1(233.9,85)
CSLCD: J20.4 U36.11 | length 32.3
  Component Side w0.15: J20.4@54.46,108.54 55.65,107.35 58.75,107.35 59.45,106.65 59.45,95.8 59.9,95.35 59.9,89.6 60.65,88.85 66.45,88.85 67.085,88.215 U36.11@67.085,86.65
CSLSD: J23.4 U36.13 U46.1 | length 27.4
  Component Side w0.15: J23.4@54.46,90.54 55.72,91.8 v1(56.35,91.8) ; v1(65.55,89.934) 67.366,89.934 U46.1@67.5,89.8 ; U36.13@65.815,77.15 65.815,78.515 v1(65.85,78.55)
  Signal 1 w0.15: v1(56.35,91.8) 63.684,91.8 v1(65.55,89.934) 65.55,80.851 65.85,80.551 v1(65.85,78.55)
  Solder Side w0.3: J23.4@54.46,90.49 J23.4@54.46,90.54
CSRESET: U36.2 U55.9 | length 85.1
  Component Side w0.15: U55.9@151.675,77.75 152.35,77.75 v1(152.75,77.35)
  Signal 1 w0.15: v1(78.515,82.525) v1(78.515,85.685) ; v1(136.9,80.9) 136.9,77.6 v1(139,75.5)
  Signal 2 w0.15: v1(78.515,82.525) 79.315,83.325 122.839,83.325 124.064,82.1 135.7,82.1 v1(136.9,80.9)
  Solder Side w0.15: v1(139,75.5) 140.325,76.825 146.375,76.825 147.225,76.825 148.3,76.825 149.771,76.825 151.224,76.825 152.024,77.625 152.475,77.625 v1(152.75,77.35)
CSSDCARD: U36.10 U41.1 | length 27.4
  Component Side w0.15: U41.1@43.9,82.45 43.9,83.05 v1(44.05,83.2) ; v1(56.55,83.2) 64.9,83.2 66.8,85.1 68.279,85.1 68.355,85.176 U36.10@68.355,86.65
  Signal 2 w0.15: v1(44.05,83.2) v1(56.55,83.2)
CSSIG: U36.3 U56.9 U60.1 | length 94.3
  Component Side w0.15: U36.3@77.245,86.65 77.245,85.805 78.286,84.764 80.31,84.764 80.386,84.84 80.461,84.764 108.522,84.764 108.882,85.125 120.925,85.125 121.3,85.5 ; U60.1@121.3,88.1 121.3,85.5 ; v1(157.4,85.2) 157.4,85.1 157.3,85 148.724,85 148.049,85.675 144.225,85.675 143.55,85 126.898,85 126.773,85.125 122.075,85.125 121.7,85.5 121.3,85.5 ; U56.9@157.675,77.75 v1(158.55,77.75)
  Signal 1 w0.15: 157.4,82.8 158.425,81.775 158.425,80.15 158.8,79.775 158.8,78 v1(158.55,77.75) ; 157.4,82.801 v1(157.4,85.2)
CSUART: U36.15 U38.7 U43.1 | length 27.3
  Component Side w0.15: U43.1@50.75,68.3 51.15,68.3 52.15,69.3 v1(53.15,69.3) 53.15,69.9 56.85,73.6 68,73.6 68.355,73.955 U36.15@68.355,77.15 ; U38.7@54.35,66.125 v1(54.35,68.3)
  Signal 1 w0.15: v1(53.15,69.3) 53.35,69.3 v1(54.35,68.3)
CSUSB: U36.16 U39.14 U42.1 | length 66.3
  Component Side w0.15: U36.16@69.625,77.15 69.625,78.775 70.85,80 70.95,79.9 v1(71,79.9) ; v1(123.05,76.35) U42.1@123.9,76.35 124.05,76.35 124.55,76.85 U39.14@127.175,76.85
  Signal 1 w0.15: v1(122.2,80.2) 123,80.2 123.675,79.525 123.675,76.975 v1(123.05,76.35)
  Signal 2 w0.15: v1(71,79.9) 71,80 70.9,80.1 97.6,80.1 98.375,80.875 98.375,80.9 99.6,82.125 120.275,82.125 v1(122.2,80.2)
EEMISO: U51.2
ENDSTOPINT: J17.B2 U18.42 | length 150.6
  Component Side w0.15: U18.42@212.7,83.75 215.95,83.75 v1(216.8,82.9)
  Signal 1 w0.15: v1(84,94.3) 84.7,93.6 v1(84.7,86.1)
  Signal 2 w0.15: v1(84.7,86.1) 86.2,84.6 127.225,84.6 128.4,83.425 175.9,83.425 195.626,83.425 195.951,83.1 196.676,83.1 197.076,83.5 199.6,83.5 199.9,83.8 202.2,83.8 202.875,83.125 216.575,83.125 v1(216.8,82.9)
  Solder Side w0.15: v1(84,94.3) J17.B2@84,98
ESMISO: J17.B6 U17.2 | length 19.2
  Component Side w0.3: v1(70.65,88.85) U17.2@70.65,89.8
  Solder Side w0.15: v1(70.65,88.85) 70.65,91.478 70.975,91.803 70.975,92.295 71.355,92.675 79.475,92.675 80.525,93.725 80.525,95.517 80,96.042 J17.B6@80,98
ETHMISO: J24.7 U49.2 U53.2 | length 128.3
  Component Side w0.15: J24.7@32.7,83.32 32.7,71.1 34.05,69.75 U49.2@39.7,69.75 v1(40.7,69.75) ; v1(79.5,79.2) 82,81.7 109.7,81.7 110,82 124.277,82 124.702,81.575 132.125,81.575 v1(132.7,81) ; v1(130.2,87.2) U53.2@130.2,88.1
  Signal 1 w0.15: v1(40.7,69.75) 45.55,74.6 62.6,74.6 63.8,73.4 67.5,73.4 68.2,74.1 68.2,75.7 71.7,79.2 v1(72.4,79.2) ; v1(130.2,87.2) 132.7,84.7 v1(132.7,81)
  Signal 2 w0.15: v1(72.4,79.2) v1(79.5,79.2)
ETHPWDN: J24.9 U68.2 | length 23.6
  Component Side w0.15: v1(46.5,78.75) U68.2@47.675,78.75
  Signal 1 w0.15: J24.9@27.62,83.32 27.62,80.48 29.35,78.75 41.25,78.75 v1(46.5,78.75)
ETHRESET: J24.8 U68.1 | length 20.7
  Component Side w0.15: v1(46.85,79.35) 46.95,79.25 U68.1@47.675,79.25
  Signal 1 w0.15: J24.8@30.16,83.32 30.16,80.69 31.5,79.35 v1(46.85,79.35)
GENMISO: U68.12 U69.2 | length 10.7
  Component Side w0.15: U68.12@50.6,76.325 50.6,75.8 50.75,75.65 52.396,75.65 53.15,76.404 53.15,79.2 54.75,80.8 U69.2@56.9,80.8